# Altium PCB ALCT_MEZ_LX100.PcbDoc (part 6 of 10) (continued)
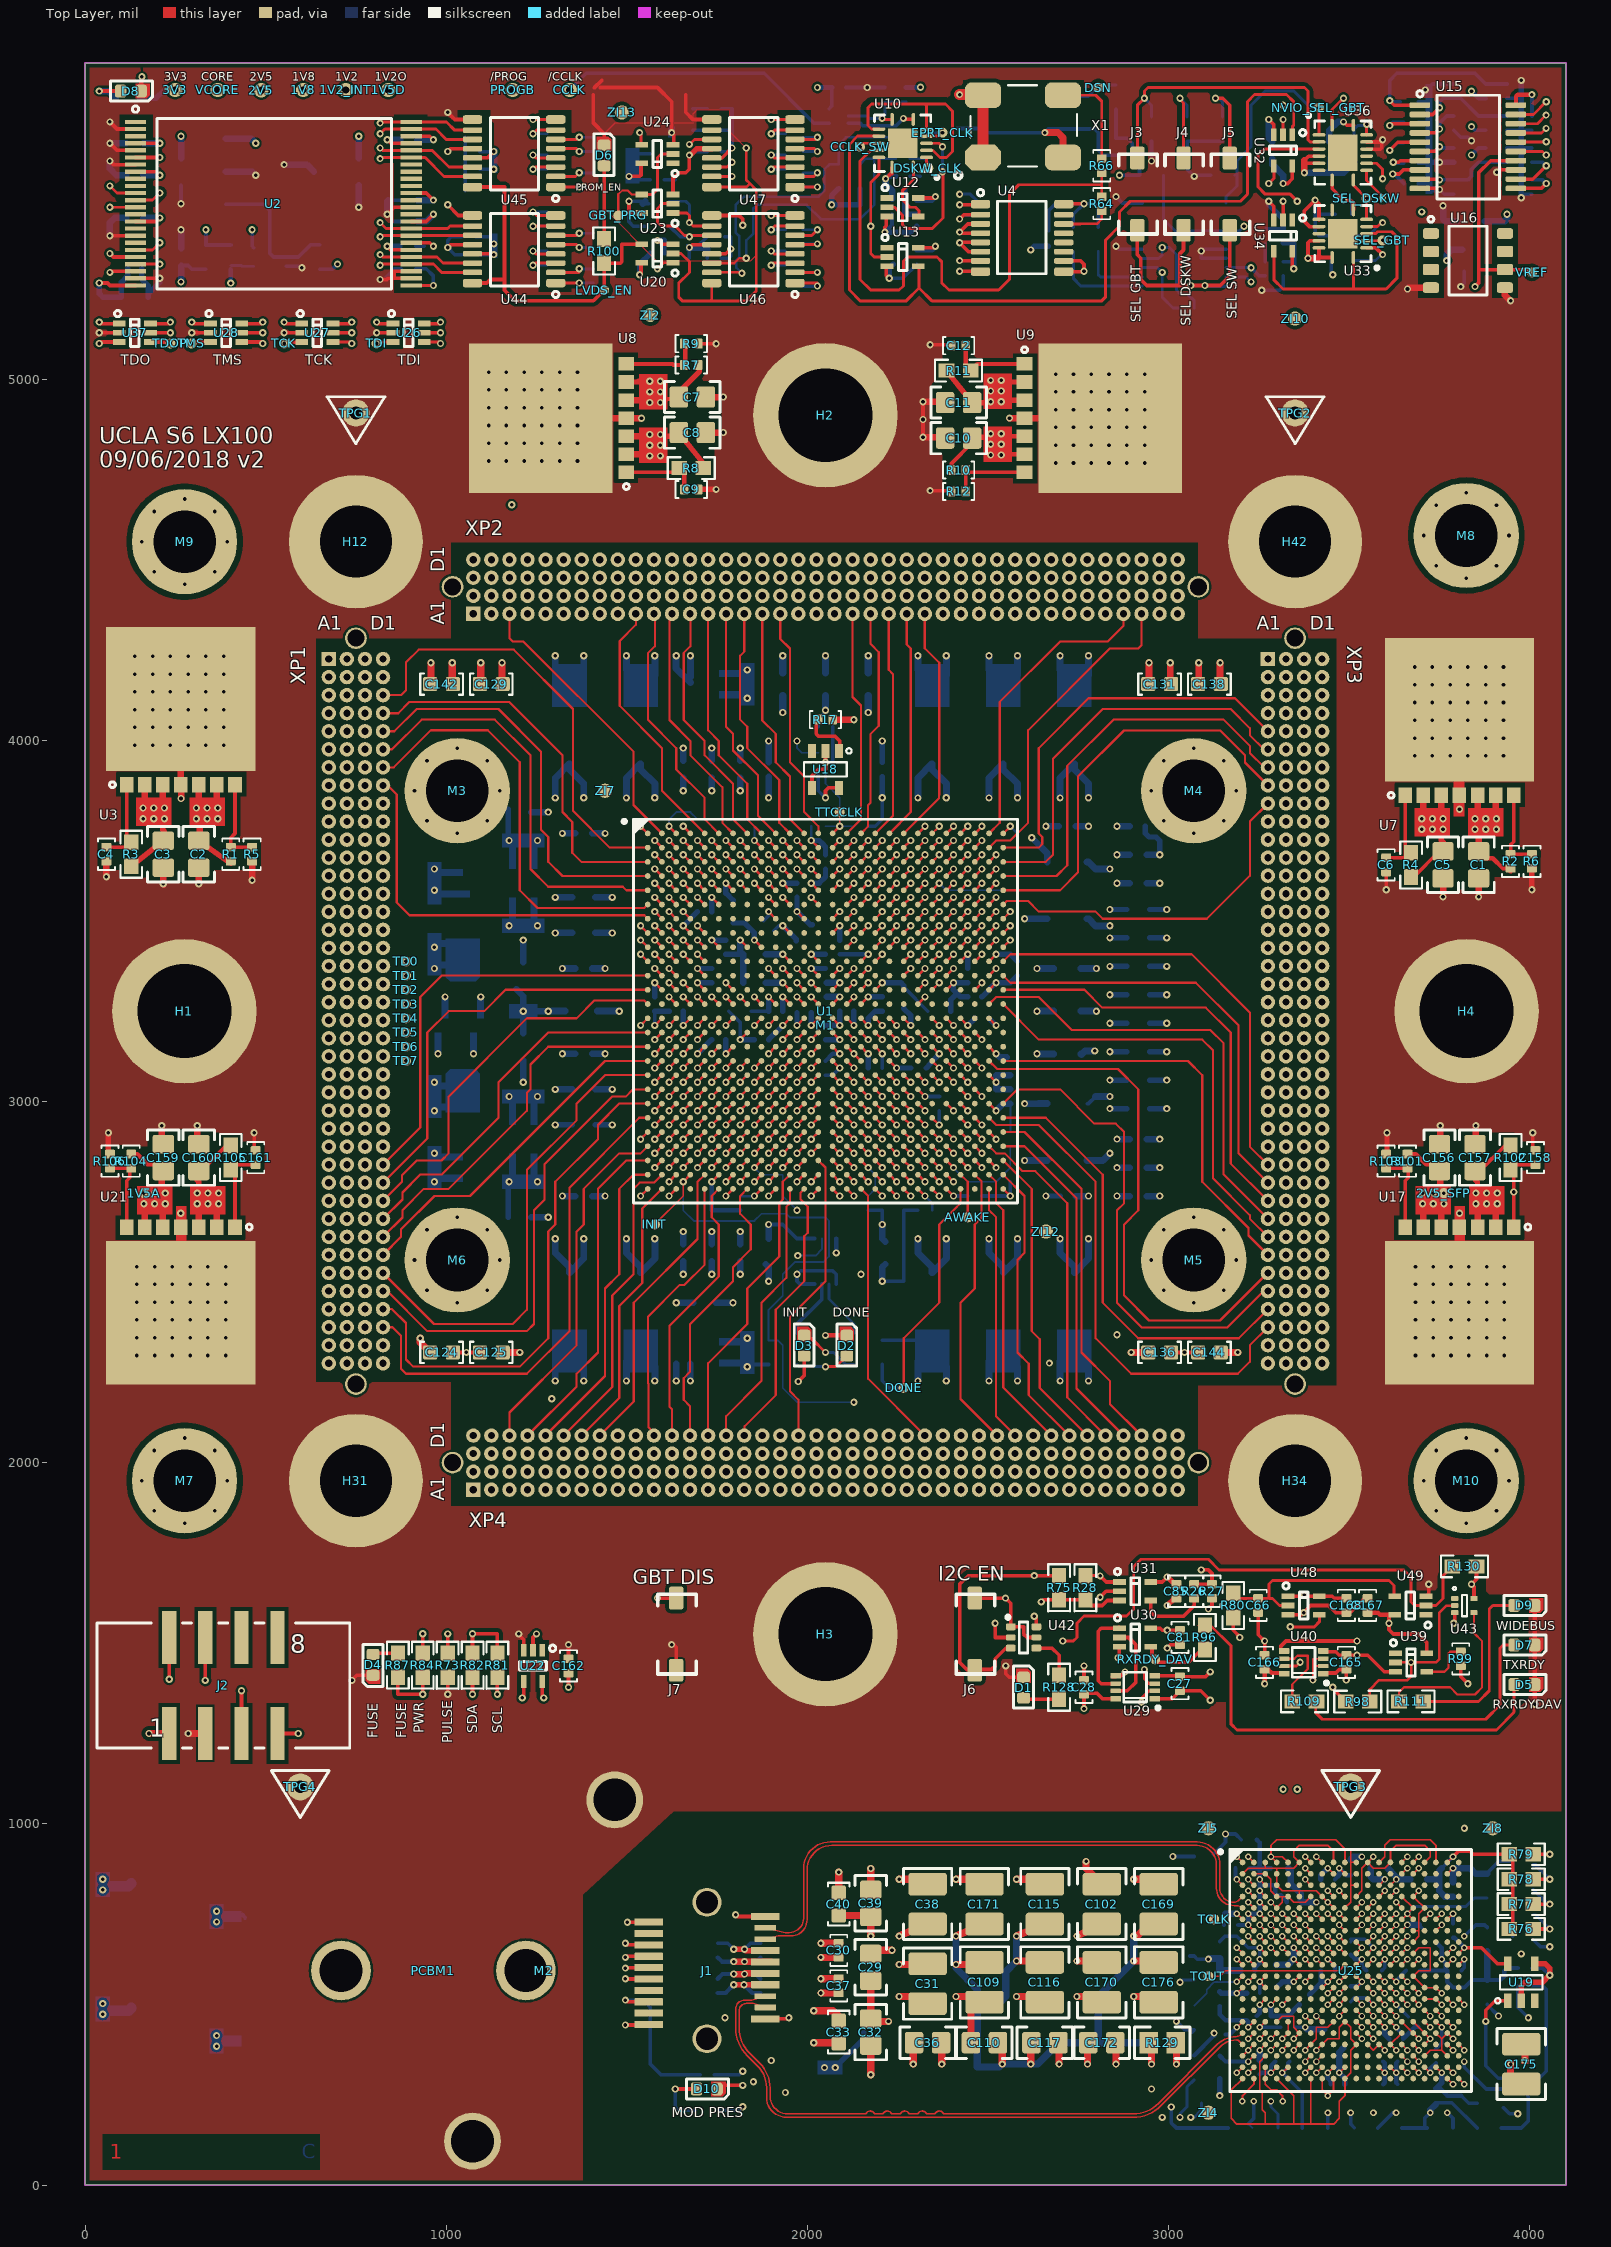
[diagram p0: Top Layer view]
## Nets (pads, with @x,y where several pads share a name; then routed paths per layer and width w, separated by ;. In a path a pad name is that pad's centre, name@x,y a point inside that pad or via, vN(x,y) a via of type N, cw(c..) or ccw(c..) an arc to the next point about the centre after c; other vN are vias at no path point) (continued)
  Top Layer w18: v1(59.06,3622.24) 59.06,3657.68 C4.2@62.2,3660.83 ; C159.2@212.21,2882.09 v1(212.21,2933.27) ; v1(216.54,3602.56) C3.2@216.54,3643.9 ; U3.8@265.16,4114.37 U3.4@265.16,3876.97 v1(265.75,3838.78) ; C160.2@310.63,2882.09 v1(310.63,2933.27) ; v1(314.96,3602.56) C2.2@314.96,3643.9 ; v1(462.6,3612.4) R5.2@462.6,3658.86 ; U8.8@1261.42,4891.93 U8.4@1498.82,4891.93 v1(1540.55,4891.34) ; C8.2@1728.74,4846.46 1734.25,4851.97 v1(1766.93,4851.97) ; C7.2@1728.74,4944.88 1734.25,4950.39 v1(1766.93,4950.39) ; v1(2320.08,4838.98) C10.2@2371.26,4838.98 ; v1(2320.08,4937.4) C11.2@2371.26,4937.4 ; v1(2559.45,4891.93) U9.4@2601.18,4891.93 U9.8@2838.58,4891.93 ; v1(3375.98,5571.06) 3375.98,5594.09 3375.98,5605.61 ; v1(3661.42,5249.41) 3665.16,5253.15 U16.4@3726.24,5253.15 ; C156.2@3752.36,2882.09 v1(3752.36,2933.27) ; v1(3759.84,3566.34) C5.2@3759.84,3617.52 ; C157.2@3850.79,2882.09 v1(3850.79,2933.27) ; v1(3858.27,3566.34) C1.2@3858.27,3617.52 ; U16.5@3931.24,5253.15 3931.24,5232.34 v1(3946.85,5216.73)
  Top Layer w19: C142.2@957.48,4165.35 v1(957.48,4214.57) ; C129.2@1154.33,4165.35 v1(1154.33,4214.57) ; v1(3004.72,4214.57) 3004.72,4157.48 C131.2@3006.69,4155.51 ; C138.2@3081.5,4155.51 3083.46,4157.48 v1(3083.46,4214.57)
  Top Layer w20: v3(285.43,1250.2) J2.3@333.07,1250.2 ; v1(2017.71,482.48) 2070.87,482.48 C33.2@2090.55,462.8 ; v1(2037.4,531.69) C37.2@2086.61,531.69 ; v1(2037.4,669.49) C30.2@2090.55,669.49 ; C40.2@2086.61,746.26 2171.26,746.26 C39.2@2175.2,742.32 v1(2175.2,689.17) ; C29.2@2175.2,565.16 C32.2@2175.2,460.83 ; v1(2224.41,452.95) C32.2@2183.07,452.95 ; v1(2253.94,610.43) C31.2@2328.74,610.43 ; v1(2253.94,846.65) 2318.9,846.65 C38.2@2332.68,832.87 ; v1(2293.31,334.84) C36.2@2293.31,409.65 ; v1(2411.42,521.85) 2440.95,521.85 2452.76,510.04 C110.2@2452.76,393.9 ; v1(2411.42,846.65) C171.2@2486.22,846.65 ; v1(2578.74,521.85) C116.2@2653.54,521.85 ; v1(2578.74,846.65) C115.2@2653.54,846.65 ; v1(2657.48,5682.48) 2693.7,5682.48 2707.68,5668.5 X1.2@2707.68,5620.28 ; v1(2696.85,334.84) C117.2@2696.85,409.65 ; v1(2746.06,620.28) C170.2@2820.87,620.28 ; v1(2746.06,689.17) C102.2@2814.96,722.64 ; v1(2775.59,334.84) C172.2@2775.59,409.65 ; v1(2903.54,521.85) C176.2@2978.35,521.85 ; v1(2903.54,846.65) C169.2@2978.35,846.65 ; C32.2@2175.2,460.83 2175.2,452.95 C32.2@2183.07,452.95 ; C32.2@2175.2,460.83 C32.2@2183.07,452.95
  Mid-Layer 8 w15: H12.1@750,4550 H12.1@794.61,4550
  Bottom Layer w6: R40.2@1774.41,3781.5 1833.46,3781.5 1853.15,3761.81 v1(1853.15,3722.44) ; v1(2010.63,3722.44) R92.2@2010.63,3761.81 ; v1(2561.81,3761.81) 2581.5,3742.13 R42.2@2581.5,3722.44
  Bottom Layer w10: v1(265.75,5485.63) C52.2@265.75,5536.81 ; U6.3@557.09,5312.4 596.46,5312.4 v1(600.39,5308.46) ; v1(816.93,5275.79) 826.77,5275.79 856.3,5305.32 R43.2@875.98,5305.32 ; 836.61,5492.32 839.76,5495.47 C50.2@875.98,5495.47 ; 849.8,5436.42 C54.2@875.98,5436.42 ; C49.2@915.35,5367.52 938.39,5367.52 ; C72.2@1043.11,5344.49 1023.82,5344.49 v3(1003.94,5364.37) 1003.94,5383.86 1013.78,5393.7 C74.2@1043.11,5393.7 ; 1052.95,5521.85 C75.2@1052.95,5580.71 C73.2@1052.95,5629.92 1052.95,5669.09 ; v1(1577.56,3210.63) C243.2@1577.56,3246.06 ; v1(1584.65,5384.06) 1604.33,5364.37 C84.2@1604.33,5347.83 ; C86.2@1604.33,5551.38 1633.86,5551.38 ; C77.2@1604.33,5623.43 1630.71,5623.43 ; 1673.23,5334.84 v3(1673.23,5364.36) 1693.1,5364.36 C68.2@1722.44,5393.7 ; v1(1673.23,5620.27) 1682.88,5629.92 C70.2@1722.24,5629.92 ; 1683.07,5688.98 C69.2@1722.44,5688.98 ; 1683.07,5748.03 C46.2@1722.44,5748.03 ; C71.2@1722.44,5334.84 1722.44,5364.37 ; C35.2@1751.97,669.49 1779.72,669.49 v1(1796.26,652.95) ; C363.2@1782.28,3250 1813.78,3218.5 v1(1813.78,3171.26) ; v1(1825.79,652.95) 1842.32,669.49 C34.2@1870.08,669.49 ; C253.2@1906.44,3472.3 1920.36,3486.22 v1(1931.89,3486.22) ; U14.3@2030.32,3912.4 2030.32,3860.24 v1(2050,3840.55) ; C78.2@2030.32,4037.4 2030.32,4057.09 2050,4076.77 v1(2050,4083.18) ; C76.2@2106.3,5807.28 v1(2165.35,5807.28) R95.2@2214.57,5807.28 ; U38.3@2113.19,5708.86 2145.67,5708.86 2153.18,5701.35 2245.25,5701.35 v1(2265.75,5721.85) ; v1(2207.48,2501.97) 2266.54,2501.97 2266.54,2698.82 R38.2@2305.91,2698.82 ; v1(2214.57,5406.89) 2234.25,5426.57 C63.2@2234.25,5456.1 ; v1(2226.38,5278.94) 2263.78,5278.94 C80.2@2303.15,5318.31 ; C65.2@2283.46,5561.22 2312.8,5561.22 ; R36.2@2483.07,2738.19 v1(2561.81,2738.19) R90.2@2561.81,2777.56 ; U11.1@2486.22,5692.32 2496.06,5682.48 v1(2657.48,5682.48) 2667.32,5692.32 U11.4@2730.32,5692.32 2736.22,5692.32 2795.28,5692.32 2805.12,5682.48 2805.12,5633.27 2818.9,5619.49 C67.2@2854.33,5619.49 ; C421.2@2774.41,2994.09 2778.35,2994.09 C421.2@2798.03,3013.78 ; v1(2854.33,5367.52) 2862.2,5359.65 U35.15@2927.17,5359.65 ; v1(2854.33,5505.32) 2872.05,5487.6 U35.20@2927.17,5487.6 ; v1(2952.76,5603.74) R48.1@2952.76,5658.86 ; R85.2@3059.06,634.06 R85.2@3070.87,634.06 3079.53,625.39 v1(3110.24,625.39) ; R44.1@3116.14,5564.37 3074.02,5564.37 v1(3070.87,5561.22) 3051.18,5580.91 3051.18,5603.74 R49.1@3051.18,5658.86 R50.1@3149.61,5658.86 ; R22.2@3124.02,915.55 3157.48,949.02 v1(3157.48,971.85) 3185.04,971.85 C133.2@3200.79,956.1 ; U35.7@3159.45,5334.06 3090.55,5334.06 v1(3090.55,5354.52) 3090.55,5359.65 U35.6@3159.45,5359.65 ; v1(3257.87,5246.26) 3307.09,5246.26 3316.93,5256.1 C61.2@3316.93,5285.63 ; R51.2@3267.72,5413.58 3270.87,5416.73 C82.2@3316.93,5416.73 ; C119.2@3330.71,877.36 C119.2@3332.68,877.36 ; C153.2@3350.39,436.42 v2(3377.95,436.42) v2@3383,431.37 ; 3444.88,5571.06 C62.2@3444.88,5613.58 ; R60.1@3450.79,5328.15 3450.79,5292.72 v1(3454.72,5288.78) ; v1(3484.25,5495.47) 3501.67,5495.47 3507.87,5489.27 C59.2@3507.87,5456.1 ; v5(3503.94,200.2) 3503.94,168.7 R23.2@3514.02,158.62 ; R53.1@3645.67,157.68 R21.2@3716.54,157.68 ; C163.2@3690.95,5541.54 3719.36,5541.54 ; C19.2@3690.95,5598.13 3716.9,5598.13 ; C17.2@3690.95,5654.72 3714.44,5654.72 3719.36,5659.65 ; C15.2@3690.95,5711.32 3716.9,5711.32 3719.36,5708.86 ; C13.2@3690.95,5767.91 3719.36,5767.91 ; R21.2@3708.66,158.62 3708.66,184.45 v5(3724.41,200.2) ; 3720.47,5807.28 3730.32,5817.13 C14.2@3789.37,5817.13 ; C98.2@3740.16,227.76 3784.25,227.76 R88.2@3854.33,157.68 ; v1(3750,5525) 3762.99,5512.01 C164.2@3789.37,5512.01 ; 3755.91,877.36 v2(3787.4,908.86) ; C16.2@3789.37,5689.17 3809.06,5669.49 3828.74,5669.49 v1(3838.58,5659.65) ; v1(3809.06,5256.1) 3818.9,5265.95 C25.2@3818.9,5298.62 ; R108.2@3937.01,5639.96 3976.38,5639.96 C21.2@4005.91,5639.96 ; R16.2@3937.01,5689.17 3976.38,5689.17 C22.2@4005.91,5689.17 ; R15.2@3937.01,5777.76 3976.38,5777.76 ; v1@3976.38,5512.01 C20.2@4005.91,5512.01
  Bottom Layer w12: v1(1735.04,2777.56) 1735.04,2698.82 R39.2@1813.78,2698.82 ; C41.2@1751.97,531.69 1773.43,531.69 v1(1796.26,554.53) ; v1(1824.41,554.53) 1847.24,531.69 C42.2@1870.08,531.69 ; C267.2@2050,3112.2 2069.69,3131.89 v1(2089.37,3131.89) ; v1(2079.53,2580.71) U41.4@2079.53,2620.47 ; C232.2@2089.37,3407.48 v1(2168.11,3407.48) ; v1(2325.59,3013.78) C265.2@2364.96,3013.78 ; R72.1@3070.87,358.46 3125.98,413.58 v1(3125.98,420.67) ; C112.2@3153.54,719.88 3153.54,747.44 3157.48,751.38 ; C149.2@3157.48,416.73 3169.29,416.73 v2(3188.98,436.42) ; C148.2@3185.04,877.36 3185.04,849.8 v2(3188.98,845.87) ; C114.2@3244.09,467.91 3251.97,475.79 v2(3251.97,499.41) ; C147.2@3251.97,306.5 3255.91,310.43 v2(3283.46,310.43) 3283.46,330.12 C99.2@3295.28,341.93 ; C113.2@3421.26,593.9 3421.26,562.4 3425.2,562.4 v2(3440.95,562.4) ; v2(3440.95,310.43) 3440.95,294.69 3448.82,286.81 C108.2@3448.82,278.94 ; C90.2@3503.94,550.59 3523.62,550.59 v2(3535.43,562.4) ; C96.2@3503.94,637.2 3515.75,625.39 v2(3535.43,625.39) 3535.43,605.71 C91.2@3547.24,593.9 ; C101.2@3594.49,278.94 3598.43,282.87 v2(3598.43,310.43) 3598.43,337.99 C93.2@3594.49,341.93 ; v2(3629.92,436.42) 3649.61,416.73 C88.2@3649.61,404.92 3682.93,438.25 C97.2@3691.08,438.25 ; C107.2@3696.85,593.9 C89.2@3767.72,593.9 ; v2(3724.41,310.43) 3724.41,322.24 C100.2@3740.16,337.99 ; C104.2@3746.68,666.11 3755.91,656.89 v2(3755.91,625.39) 3767.72,613.58 C89.2@3767.72,593.9 ; C87.2@3787.4,684.45 3791.34,684.45 v2(3818.9,656.89) ; C26.2@3966.54,600.59 3937.01,600.59 3929.13,592.72 3929.13,578.15 3918.62,567.64 R74.2@3881.89,567.64 3839.88,567.64 3818.9,546.65 3787.4,546.65 3771.65,562.4 3771.65,593.9 C89.2@3767.72,593.9
  Bottom Layer w15: C57.2@157.48,5305.32 157.48,5275.79 175.2,5258.07 C58.2@175.2,5236.42 ; C58.2@175.2,5226.57 C58.2@175.2,5236.42 ; v1(206.69,5278.94) 206.69,5267.91 C58.2@175.2,5236.42 ; C139.2@1172.05,2679.13 1172.05,2775.59 v1(1174.02,2777.56) ; C121.2@1172.05,3809.06 C121.2@1172.05,3801.18 1172.05,3724.41 v1(1174.02,3722.44) ; v1(1301.97,2935.04) C341.2@1349.21,2935.04 ; C243.2@1577.56,3250 C234.2@1616.93,3250 ; v1(1584.65,5384.06) 1604.33,5384.06 ; v1(1656.3,3486.22) C263.2@1695.67,3525.59 ; v1(1695.67,3131.89) C241.2@1735.04,3171.26 ; v1(1695.67,3328.74) C262.2@1735.04,3328.74 ; C223.2@1774.41,3407.48 C371.2@1821.65,3407.48 ; v1(1774.41,3604.33) 1774.41,3576.77 C361.2@1794.09,3557.09 ; v1(1813.78,3171.26) C275.2@1853.15,3171.26 ; C264.2@1931.89,3250 v1(1931.89,3289.37) ; v1(1931.89,3486.22) 1968.67,3449.44 C365.2@1968.67,3444.26 ; v1(1931.89,3604.33) C266.2@1971.26,3604.33 ; v1(1971.26,3210.63) C272.2@1971.26,3246.06 ; v1(2010.63,3368.11) C261.2@2050,3368.11 ; v1(2010.63,3722.44) 2032.28,3722.44 2041.14,3713.58 2050,3704.72 C213.2@2050,3683.07 ; C273.2@2050,3210.63 v1(2089.37,3210.63) C274.2@2089.37,3250 ; C277.2@2168.11,3092.52 v1(2168.11,3131.89) ; v1(2168.11,3210.63) 2168.11,3230.32 2187.8,3250 C276.2@2207.48,3250 ; C301.2@2207.48,3938.98 C301.2@2207.48,3950.79 v1(2207.48,3998.03) ; v1(2214.57,5406.89) 2286.61,5406.89 2303.15,5423.43 ; v1(2226.38,5278.94) 2226.38,5307.28 2237.4,5318.31 ; C362.2@2266.54,3257.87 2286.22,3238.19 v1(2286.22,3210.63) ; 2270,5529 2270,5462 2276,5456 2303.05,5456 C79.2@2303.15,5456.1 ; C214.2@2329.53,3092.52 v1(2364.96,3131.89) ; C364.2@2396.46,3250 2396.46,3281.5 2414.17,3299.21 ; C252.2@2443.7,3289.37 2424.02,3289.37 2404.33,3309.05 v1(2404.33,3328.74) C242.2@2443.7,3328.74 ; C203.2@2502.76,3230.32 v1(2522.44,3210.63) ; v1(2522.44,3407.48) 2561.81,3407.48 C202.2@2581.5,3387.8 ; v1(2618.11,5357.68) 2627.95,5367.52 C64.2@2667.32,5367.52 ; C254.2@2935.83,3761.81 2935.83,3742.13 2945.67,3732.28 2965.35,3732.28 2975.2,3722.44 v1(2975.2,3683.07) ; C351.2@2947.64,2980.32 v1(2994.88,2980.32) ; C321.2@2947.64,3059.06 v1(2994.88,3059.06) ; C132.2@2947.64,3137.8 v1(2994.88,3137.8) ; C128.2@2947.64,3216.54 v1(2994.88,3216.54) ; C137.2@2947.64,3295.28 v1(2994.88,3295.28) ; C134.2@2947.64,3374.02 v1(2994.88,3374.02) ; C135.2@2947.64,3452.76 v1(2994.88,3452.76) ; C141.2@2947.64,3531.5 v1(2994.88,3531.5) ; v1(3141.73,247.44) C118.2@3141.73,294.69 ; C145.2@3141.73,534.84 3145.67,530.91 v2(3188.98,530.91) C151.2@3216.54,530.91 ; v1(3277.56,5492.32) 3277.56,5482.48 3316.93,5443.11 C82.2@3316.93,5416.73 ; C111.2@3299.21,546.65 3314.96,562.4 v2(3346.46,562.4) ; C146.2@3390.04,527.25 3425.2,562.4 ; C106.2@3421.26,845.87 3421.26,857.68 v2(3440.95,877.36) ; 3716.9,5598.13 3719.36,5600.59 v1(3750,5600.59) C18.2@3789.37,5600.59 ; v1(3976.38,5502.17) 3976.38,5512.01 3976.38,5639.96 3976.38,5689.17 3976.38,5777.76 v1(3976.38,5826.97)
  Bottom Layer w18: v1(68.9,5397.05) 68.9,5433.27 81.89,5446.26 114.17,5446.26 C55.2@112.21,5444.29 ; v1(68.9,5603.74) 68.9,5582.09 86.61,5564.37 C48.2@114.17,5564.37 ; v1(68.9,5652.95) C53.2@114.17,5652.95 ; C43.2@265.75,5361.61 v1(265.75,5413.58) ; U5.4@389.76,5574.21 462.6,5574.21 v1(472.44,5564.37) ; v1(551.18,5593.9) 614.17,5593.9 U5.1@633.86,5574.21 ; v1(757.87,5475.79) C56.2@757.87,5536.81 ; v1(836.61,5456.1) 836.61,5492.32 839.76,5495.47 ; C51.2@919.29,5662.8 v1(964.57,5662.8) ; C312.2@1193.7,3311.02 1213.39,3291.34 v1(1213.39,3250) ; C313.2@1213.39,3188.98 v1(1213.39,3250) ; v1@1292.13,3250 v1(1282.28,3250) v1(1213.39,3250) ; v1(1301.97,3033.46) C122.2@1349.21,3033.46 ; v1(1301.97,3466.54) C126.2@1349.21,3466.54 ; v1(1301.97,3564.96) C331.2@1349.21,3564.96 ; v1(1321.65,2738.19) C221.2@1357.09,2738.19 ; v1(1321.65,3131.89) C235.2@1357.09,3131.89 ; v1(1321.65,3368.11) C225.2@1357.09,3368.11 ; v1(1321.65,3742.13) C245.2@1357.09,3742.13 ; v1(1636.61,2226.38) C431.2@1636.61,2273.62 ; v1(1636.61,2442.91) C127.2@1683.86,2442.91 ; v1(1656.3,2521.65) C44.2@1656.3,2557.09 ; C215.2@1656.3,3942.91 v1(1656.3,3978.35) ; v1(1675.98,2226.38) C431.2@1675.98,2273.62 ; v1(1735.04,2521.65) C45.2@1735.04,2557.09 ; v1(1735.04,3860.24) C201.2@1735.04,3895.67 ; v1(1813.78,2521.65) C222.2@1813.78,2557.09 ; C371.2@1813.78,3419.29 v1(1813.78,3446.85) ; C24.2@1813.78,3942.91 v1(1813.78,3978.35) ; C372.2@1821.65,3328.74 C371.2@1821.65,3407.48 ; C311.2@1884.65,2549.21 1892.52,2541.34 v1(1892.52,2501.97) ; C211.2@1892.52,3938.98 v1(1892.52,3998.03) ; C271.2@2053.94,3328.74 v1(2089.37,3328.74) ; v1(2207.48,2501.97) 2207.48,2541.34 C302.2@2215.35,2549.21 ; C204.2@2561.81,3033.46 2522.44,3033.46 v1(2522.44,3053.15) 2522.44,3072.83 C231.2@2561.81,3072.83 ; C251.2@2742.91,2738.19 v1(2778.35,2738.19) ; C212.2@2742.91,3761.81 v1(2778.35,3761.81) ; C224.2@2939.76,2738.19 v1(2975.2,2738.19) ; C244.2@2939.76,2816.93 v1(2975.2,2816.93) ; C233.2@2939.76,2895.67 v1(2975.2,2895.67) ; C205.2@2939.76,3604.33 v1(2975.2,3604.33) ; C255.2@2939.76,3683.07 v1(2975.2,3683.07) ; 3157.48,751.38 v2(3188.98,751.38) ; v1(3277.56,5718.7) 3277.56,5666.73 C83.2@3287.4,5656.89 ; C119.2@3330.71,877.36 3338.58,869.49 3338.58,830.12 3342.52,830.12 3366.14,806.5 3366.14,786.81 3370.08,782.87 v2(3409.45,782.87) ; v1(3375.98,5571.06) 3444.88,5571.06 3485.04,5571.06 R58.1@3513.78,5599.8 ; v2(3377.95,436.42) 3383,431.37 C103.2@3430.25,431.37 ; C95.2@3503.94,900.98 3511.81,908.86 v2(3535.43,908.86) ; C105.2@3559.06,877.36 3559.06,853.74 3566.93,845.87 v2(3598.43,845.87) ; C92.2@3716.54,845.87 3749.02,845.87 ; 3723.62,5525 v1(3750,5525) ; v5(3724.41,200.2) 3724.41,208.07 C98.2@3740.16,223.82 ; 3755.91,877.36 3749.02,870.47 3749.02,845.87 ; v1(3759.84,5479.72) 3759.84,5443.11 3766.54,5436.42 C23.2@3801.18,5436.42 ; C94.2@3787.4,798.62 3764.76,798.62 3749.02,814.37 3749.02,845.87 ; R74.2@3881.89,567.64 R86.2@3881.89,647.72
  Bottom Layer w19: v1@1292.13,3250 C332.2@1329.53,3250 ; v1(1301.97,2620.08) 1301.97,2580.71 1341.34,2541.34 CT7.2@1341.34,2525.59 1380.71,2564.96 v1(1380.71,2620.08) ; v1(1301.97,3840.55) 1301.97,3895.67 CT2.2@1341.34,3935.04 1341.34,3919.29 1380.71,3879.92 v1(1380.71,3840.55) ; v1(1498.82,2620.08) 1498.82,2580.71 1538.19,2541.34 CT11.2@1538.19,2525.59 1577.56,2564.96 v1(1577.56,2620.08) ; v1(1498.82,3840.55) 1498.82,3895.67 CT10.2@1538.19,3935.04 1538.19,3919.29 1577.56,3879.92 v1(1577.56,3840.55) ; v1(2305.91,2620.08) 2305.91,2580.71 2345.28,2541.34 CT6.2@2345.28,2525.59 2384.65,2564.96 v1(2384.65,2620.08) ; v1(2305.91,3840.55) 2305.91,3895.67 CT12.2@2345.28,3935.04 2345.28,3919.29 2384.65,3879.92 v1(2384.65,3840.55) ; v1(2502.76,2620.08) 2502.76,2580.71 2542.13,2541.34 CT4.2@2542.13,2525.59 2581.5,2564.96 v1(2581.5,2620.08) ; v1(2502.76,3840.55) 2502.76,3895.67 CT9.2@2542.13,3935.04 2542.13,3919.29 2581.5,3879.92 v1(2581.5,3840.55) ; v1(2699.61,2620.08) 2699.61,2580.71 2738.98,2541.34 CT1.2@2738.98,2525.59 2778.35,2564.96 v1(2778.35,2620.08) ; v1(2699.61,3840.55) 2699.61,3895.67 CT8.2@2738.98,3935.04 2738.98,3919.29 2778.35,3879.92 v1(2778.35,3840.55) ; C342.2@2756.69,3131.89 2758.51,3130.08 2768.35,3139.92 v1(2795.27,3139.92) ; C322.2@2756.69,3250 v1(2800,3250) ; C375.2@2756.69,3368.11 v1(2800,3368.11) ; C451.2@2774.41,2836.61 2817.72,2836.61 v1(2837.4,2856.3) ; C401.2@2774.41,3505.91 2778.35,3505.91 2798.03,3486.22 v1(2837.4,3486.22) ; C471.2@2774.41,3663.39 2778.35,3663.39 2798.03,3643.7 v1(2837.4,3643.7) ; C421.2@2798.03,3013.78 v1(2837.4,3013.78)
  Bottom Layer w20: v1(1931.89,4076.77) C143.2@1931.89,4124.02 ; v1(2050,4083.18) C130.2@2050,4124.02 ; v1(2168.11,4076.77) C140.2@2168.11,4124.02 ; v1(3110.24,625.39) 3111.81,626.97 3141.73,626.97 3141.73,593.9 C150.2@3196.85,593.9
  other v1: 2982.28,187.2 1938.98,256.1 2952.76,265.94 1850.39,285.63 1899.61,344.69 3986.22,344.69 1771.65,462.8 738.98,1397.05 143.31,2296.65 192.52,2296.65 241.73,2296.65 290.95,2296.65 340.16,2296.65 389.37,2296.65 3683.46,2296.65 3732.68,2296.65 3781.89,2296.65 3831.1,2296.65 3880.32,2296.65 3929.53,2296.65 143.31,2345.87 192.52,2345.87 241.73,2345.87 290.95,2345.87 340.16,2345.87 389.37,2345.87 3683.46,2345.87 3732.68,2345.87 3781.89,2345.87 3831.1,2345.87 3880.32,2345.87 3929.53,2345.87 143.31,2395.08 192.52,2395.08 241.73,2395.08 290.95,2395.08 340.16,2395.08 389.37,2395.08 3683.46,2395.08 3732.68,2395.08 3781.89,2395.08 3831.1,2395.08 3880.32,2395.08 3929.53,2395.08 143.31,2444.29 192.52,2444.29 241.73,2444.29 290.95,2444.29 340.16,2444.29 389.37,2444.29 3683.46,2444.29 3732.68,2444.29 3781.89,2444.29 3831.1,2444.29 3880.32,2444.29 3929.53,2444.29 143.31,2493.5 192.52,2493.5 241.73,2493.5 290.95,2493.5 340.16,2493.5 389.37,2493.5 3683.46,2493.5 3732.68,2493.5 3781.89,2493.5 3831.1,2493.5 3880.32,2493.5 3929.53,2493.5 143.31,2542.72 192.52,2542.72 241.73,2542.72 290.95,2542.72 340.16,2542.72 389.37,2542.72 3683.46,2542.72 3732.68,2542.72 3781.89,2542.72 3831.1,2542.72 3880.32,2542.72 3929.53,2542.72 265.16,2690.35 3805.32,2690.35 967.32,2777.56 1252.76,2777.56 967.32,2856.3 996.85,3289.37 1095.28,3289.37 967.32,3584.65 967.32,3643.7 1252.76,3722.44 3805.32,3809.25 3681.1,3956.89 3730.32,3956.89 3779.53,3956.89 3828.74,3956.89 3877.95,3956.89 3927.17,3956.89 137.8,3986.42 187.01,3986.42 236.22,3986.42 285.43,3986.42 334.65,3986.42 383.86,3986.42 3681.1,4006.1 3730.32,4006.1 3779.53,4006.1 3828.74,4006.1 3877.95,4006.1 3927.17,4006.1 137.8,4035.63 187.01,4035.63 236.22,4035.63 285.43,4035.63 334.65,4035.63 383.86,4035.63 3681.1,4055.32 3730.32,4055.32 3779.53,4055.32 3828.74,4055.32 3877.95,4055.32 3927.17,4055.32 137.8,4084.84 187.01,4084.84 236.22,4084.84 285.43,4084.84 334.65,4084.84 383.86,4084.84 3681.1,4104.53 3730.32,4104.53 3779.53,4104.53 3828.74,4104.53 3877.95,4104.53 3927.17,4104.53 1833.46,4116.14 137.8,4134.06 187.01,4134.06 236.22,4134.06 285.43,4134.06 334.65,4134.06 383.86,4134.06 3681.1,4153.74 3730.32,4153.74 3779.53,4153.74 3828.74,4153.74 3877.95,4153.74 3927.17,4153.74 137.8,4183.27 187.01,4183.27 236.22,4183.27 285.43,4183.27 334.65,4183.27 383.86,4183.27 1833.46,4194.88 3681.1,4202.95 3730.32,4202.95 3779.53,4202.95 3828.74,4202.95 3877.95,4202.95 3927.17,4202.95 137.8,4232.48 187.01,4232.48 236.22,4232.48 285.43,4232.48 334.65,4232.48 383.86,4232.48 2687.4,4767.72 2736.61,4767.72 2785.83,4767.72 2835.04,4767.72 2884.25,4767.72 2933.46,4767.72 1117.32,4773.23 1166.54,4773.23 1215.75,4773.23 1264.96,4773.23 1314.17,4773.23 1363.39,4773.23 2687.4,4816.93 2736.61,4816.93 2785.83,4816.93 2835.04,4816.93 2884.25,4816.93 2933.46,4816.93 1117.32,4822.44 1166.54,4822.44 1215.75,4822.44 1264.96,4822.44 1314.17,4822.44 1363.39,4822.44 2687.4,4866.14 2736.61,4866.14 2785.83,4866.14 2835.04,4866.14 2884.25,4866.14 2933.46,4866.14 1117.32,4871.65 1166.54,4871.65 1215.75,4871.65 1264.96,4871.65 1314.17,4871.65 1363.39,4871.65 2687.4,4915.35 2736.61,4915.35 2785.83,4915.35 2835.04,4915.35 2884.25,4915.35 2933.46,4915.35 1117.32,4920.87 1166.54,4920.87 1215.75,4920.87 1264.96,4920.87 1314.17,4920.87 1363.39,4920.87 2687.4,4964.57 2736.61,4964.57 2785.83,4964.57 2835.04,4964.57 2884.25,4964.57 2933.46,4964.57 1117.32,4970.08 1166.54,4970.08 1215.75,4970.08 1264.96,4970.08 1314.17,4970.08 1363.39,4970.08 2687.4,5013.78 2736.61,5013.78 2785.83,5013.78 2835.04,5013.78 2884.25,5013.78 2933.46,5013.78 1117.32,5019.29 1166.54,5019.29 1215.75,5019.29 1264.96,5019.29 1314.17,5019.29 1363.39,5019.29 3710.63,5800.59
HSWAPEN: R40.1 U1.A3 | length 181.9
  Top Layer w7: v1(1616.93,3761.81) U1.A3@1636.61,3742.13
  Bottom Layer w5: v1(1616.93,3761.81) 1616.93,3781.49 1636.61,3801.18 1675.98,3801.18 1695.67,3781.5 R40.1@1735.04,3781.5
INIT2: R41.1 U41.6 | length 164.8
  Bottom Layer w8: U41.6@2059.84,2494.49 2059.84,2452.76 2128.74,2383.86 R41.1@2128.74,2358.27
INIT_B: INIT.1 R33.2 U1.AE4 U32.2 U41.3 | length 7453.6
  Top Layer w5: INIT.1@1577.56,2659.45 1656.3,2738.19 v1(1656.3,2777.56)
  Top Layer w7: v1(1656.3,2777.56) U1.AE4@1675.98,2797.24
  Top Layer w8: U32.2@3316.93,5676.57 v1(3316.93,5718.7)
  Mid-Layer 2 w5: v1(2128.74,2167.32) 2130.32,2167.32 2150,2147.64 2150,1895.47 2214.57,1830.91 3110.43,1830.91 3159.45,1879.92 3159.45,2115.35 3211.42,2167.32 3417.13,2167.32 3475,2225.2 3475,4291.54 3435.63,4330.91 3193.5,4330.91 3139.76,4384.65 3139.76,5019.88 3277.56,5157.68 3277.56,5295.47 3252.27,5320.76 3252.27,5507.77 3228.35,5531.69 3228.35,5718.7 3257.87,5748.23 3287.4,5748.23 v1(3316.93,5718.7)
  Bottom Layer w5: v1(1656.3,2777.56) 1656.3,2698.19 1685.2,2669.29 1853.15,2669.29 1872.83,2688.98 1941.73,2688.98 1952.2,2678.51 2050.63,2678.51 2059.84,2669.29 U41.3@2059.84,2611.61 2059.84,2570.87 2044.23,2555.25 1965.49,2555.25 1931.89,2521.65 1931.89,2462.6 1892.52,2423.23 R33.2@1892.52,2338.58 1918.11,2338.58 1931.89,2324.8 1931.89,2206.69 1971.26,2167.32 v1(2128.74,2167.32)
INIT_LED: D3.K R41.2 | length 148.3
  Top Layer w8: 2010.63,2344.49 v1(2050,2305.12)
  Bottom Layer w8: v1(2050,2305.12) 2072.64,2305.12 2106.1,2271.65 R41.2@2128.74,2271.65
led1: U1.A18 XP2.A25 | length 637.2
  Top Layer w6: U1.A18@2227.17,3742.13 2286.22,3801.18 2286.22,3831.95 2285.91,3832.27 2285.91,3848.84 2286.22,3849.15 2286.22,4253.94 2275,4265.16 XP2.A25@2275,4350
led2: U1.A19 XP2.A26 | length 665.2
  Top Layer w6: U1.A19@2266.54,3742.13 2364.65,3840.24 2364.65,3848.84 2364.96,3849.15 2364.96,4214.57 2325,4254.53 XP2.A26@2325,4350
led3: U1.D20 XP2.A27 | length 1008.4
  Top Layer w7: U1.D20@2305.91,3624.02 v1(2325.59,3643.7)
  Mid-Layer 10 w5: v1(2325.59,3643.7) 2345.28,3663.39 2345.28,3702.76 2542.13,3702.76 2542.13,4116.14 2375,4283.27 XP2.A27@2375,4350
led4: U1.G17 XP2.A28 | length 942.3
  Top Layer w7: U1.G17@2187.8,3505.91 v1(2207.48,3525.59)
  Mid-Layer 8 w5: v1(2207.48,3525.59) 2227.17,3545.28 2227.17,3899.61 2425,4097.44 XP2.A28@2425,4350
led5: U1.C18 XP2.B25 | length 793
  Top Layer w7: U1.C18@2227.17,3663.39 v1(2246.85,3683.07)
  Mid-Layer 4 w5: v1(2246.85,3683.07) 2227.17,3702.76 2227.17,4017.72 2286.22,4076.77 2286.22,4244.09 2299.5,4257.37 2299.5,4375.5 XP2.B25@2275,4400
led6: U1.D18 XP2.B26 | length 837.2
  Top Layer w7: U1.D18@2227.17,3624.02 v1(2246.85,3643.7)
  Mid-Layer 4 w5: v1(2246.85,3643.7) 2266.54,3663.39 2266.54,3998.03 2350,4081.5 2350,4375 XP2.B26@2325,4400
led7: U1.D19 XP2.B27 | length 869.9
  Top Layer w7: U1.D19@2266.54,3624.02 v1(2286.22,3643.7)
  Mid-Layer 4 w5: v1(2286.22,3643.7) 2305.91,3663.39 2305.91,3813.68 2298.54,3821.05 2297.83,3821.05 2286.41,3832.47 2286.41,3859.74 2305.91,3879.24 2305.91,3984.12 2414.17,4092.38 2414.17,4263.78 2400.5,4277.45 2400.5,4374.5 XP2.B27@2375,4400
led8: U1.F16 XP2.B28 | length 989.6
  Top Layer w7: U1.F16@2148.43,3545.28 v1(2168.11,3564.96)
  Mid-Layer 6 w5: v1(2168.11,3564.96) 2187.8,3584.65 2187.8,3938.98 2449.5,4200.68 2449.5,4375.5 XP2.B28@2425,4400
led9: U1.E17 XP2.B29 | length 955
  Top Layer w7: U1.E17@2187.8,3584.65 v1(2207.48,3604.33)
  Mid-Layer 6 w5: v1(2207.48,3604.33) 2227.17,3624.02 2227.17,3919.29 2473.23,4165.35 2473.23,4266.54 2500,4293.31 2500,4375 XP2.B29@2475,4400
led10: U1.E18 XP2.B30 | length 959.4
  Top Layer w7: U1.E18@2227.17,3584.65 v1(2246.85,3604.33)
  Mid-Layer 6 w5: v1(2246.85,3604.33) 2266.54,3624.02 2266.54,3860.24 2550,4143.7 2550,4375 XP2.B30@2525,4400
led11: U1.E14 XP2.C25 | length 1129.1
  Top Layer w7: U1.E14@2069.68,3584.65 v1(2089.37,3604.33)
  Mid-Layer 6 w5: v1(2089.37,3604.33) 2030.32,3663.39 2030.32,3781.5 1992.63,3819.18 1992.63,4235.94 2030.32,4273.62 2198.62,4273.62 2250,4325 2250,4425 XP2.C25@2275,4450
led12: U1.F15 XP2.C26 | length 1111.9
  Top Layer w7: U1.F15@2109.05,3545.28 v1(2128.74,3564.96)
  Mid-Layer 6 w5: v1(2128.74,3564.96) 2109.06,3584.65 2109.06,4096.46 2168.11,4155.51 2305.91,4155.51 2350,4199.61 2350,4425 XP2.C26@2325,4450
led13: U1.F17 XP2.C27 | length 998.6
  Top Layer w7: U1.F17@2187.8,3545.28 v1(2207.48,3564.96)
  Mid-Layer 8 w5: v1(2207.48,3564.96) 2187.8,3584.65 2187.8,3919.29 2350,4081.5 2350,4425 XP2.C27@2375,4450
led14: U1.E16 XP2.C28 | length 1033
  Top Layer w7: U1.E16@2148.43,3584.65 v1(2168.11,3604.33)
  Mid-Layer 6 w5: v1(2168.11,3604.33) 2148.43,3624.02 2148.43,3998.03 2276.38,4125.98 2335.43,4125.98 2402.65,4193.2 2402.65,4290.66 2400,4293.31 2400,4425 XP2.C28@2425,4450
led15: U1.C20 XP2.C29 | length 893.5
  Top Layer w7: U1.C20@2305.91,3663.39 v1(2325.59,3683.07)
  Mid-Layer 8 w5: v1(2325.59,3683.07) 2306.09,3702.57 2306.09,3813.16 2325.41,3832.47 2325.41,3879.74 2484.76,4039.09 2484.76,4241.71 2500,4256.95 2500,4425 XP2.C29@2475,4450
led16: U1.B18 XP2.D25 | length 837.4
  Top Layer w7: U1.B18@2227.17,3702.76 v1(2246.85,3722.44)
  Mid-Layer 2 w5: v1(2246.85,3722.44) 2246.85,3958.66 2286.22,3998.03 2286.22,4260.34 2299.5,4273.62 2299.5,4475.5 XP2.D25@2275,4500
led17: U1.C19 XP2.D26 | length 897.3
  Top Layer w7: U1.C19@2266.54,3663.39 v1(2286.22,3683.07)
  Mid-Layer 2 w5: v1(2286.22,3683.07) 2266.72,3702.57 2266.72,3939.16 2349.5,4021.94 2349.5,4475.5 XP2.D26@2325,4500
led18: U1.H17 XP2.D27 | length 1221.1
  Top Layer w7: U1.H17@2187.8,3466.54 v1(2207.48,3486.22)
  Mid-Layer 2 w5: v1(2207.48,3486.22) 2187.98,3505.72 2187.98,3623.83 2187.8,3624.02 2305.91,3624.02 2305.91,3799.5 2325.41,3819 2325.41,3848.63 2323.41,3850.63 2323.41,3922.88 2399.5,3998.97 2399.5,4201.58 2402.65,4204.72 2402.65,4260.63 2399.5,4263.78 2399.5,4475.5 XP2.D27@2375,4500
led19: U1.H18 XP2.D28 | length 1418.1
  Top Layer w7: U1.H18@2227.17,3466.54 v1(2246.85,3486.22)
  Mid-Layer 2 w5: v1(2246.85,3486.22) 2227.17,3505.91 2227.17,3582.96 2228.85,3584.65 2374.62,3584.65 2384.46,3594.49 2384.46,3780 2382.96,3781.5 2404.33,3802.87 2404.33,3885.69 2449.5,3930.86 2449.5,4240.05 2500,4290.55 2500,4537.6 2480.32,4557.28 2440.95,4557.28 2425,4541.34 XP2.D28@2425,4500
led20: U1.F18 XP2.D29 | length 1057.4
  Top Layer w7: U1.F18@2227.17,3545.28 v1(2246.85,3564.96)
  Mid-Layer 8 w5: v1(2246.85,3564.96) 2266.54,3584.65 2266.54,3879.92 2450,4063.39 2450,4475 XP2.D29@2475,4500
lvds_en: LVDS_EN.1 R100.2 U20.4 U44.16 U45.16 | length 995.7
  Top Layer w10: U44.16@1072.83,5265.94 1112.4,5265.94 1122.05,5275.59 1161.42,5275.59 ; U45.16@1072.83,5531.69 1161.22,5531.69 1161.42,5531.5 1161.42,5374.21 1161.42,5275.59 ; U20.4@1541.34,5373.43 1486.22,5373.43 1486.22,5325 1482.28,5321.06 R100.2@1437.01,5321.06 LVDS_EN.1@1437.01,5246.26 1407.48,5216.73 1190.94,5216.73 1161.42,5246.26 1161.42,5275.59
lvds_en_led: D6.A R100.1 | length 202.8
  Top Layer w10: R100.1@1437.01,5387.99 D6.A@1437.01,5590.75
M0: R36.1 U1.AF22 | length 67.2
  Top Layer w7: U1.AF22@2384.65,2757.87 v1(2404.33,2738.19)
  Bottom Layer w10: v1(2404.33,2738.19) R36.1@2443.7,2738.19
M1: R37.1 U1.AD16 | length 122.9
  Top Layer w7: U1.AD16@2148.43,2836.61 v1(2168.11,2816.93)
  Bottom Layer w5: R37.1@2168.11,2738.19 2187.8,2757.87 2187.8,2797.24 v1(2168.11,2816.93)
MC_SN: DSN.1 R89.2 U1.B14 U11.2 | length 4465.2
  Top Layer w7: U1.B14@2069.68,3702.76 v1(2089.37,3722.44)
  Mid-Layer 6 w5: v1(2089.37,3722.44) 2069.68,3742.13 2069.68,4116.14 2148.43,4194.88 2227.17,4194.88 2300,4267.72 2300,4530.91 2204.72,4626.18 1525.59,4626.18 1456.69,4695.08 1456.69,5728.54 1535.43,5807.28 1978.35,5807.28 1998.03,5787.6 2362.2,5787.6 2381.89,5807.28 v1(2805.12,5807.28)
  Bottom Layer w8: U11.2@2730.32,5782.87 2777.56,5782.87 2809.06,5814.37 R89.2@2854.33,5814.37
MEZ_CLOCK: R91.2 R92.1 TTCCLK.1 U1.A14 U14.2 XP2.D21 | length 1077.7
  Top Layer w5: v1(2089.37,3761.81) TTCCLK.1@2089.37,3801.18
  Top Layer w7: U1.A14@2069.68,3742.13 v1(2089.37,3761.81)
  Mid-Layer 8 w5: XP2.D21@2075,4500 2050,4475 2050,4273.62 2069.69,4253.94 2069.69,3781.5 v1(2089.37,3761.81)
  Bottom Layer w5: R92.1@2050,3761.81 R91.2@2128.74,3761.81 ; U14.2@2050,3912.4 2050,3880.23 2089.37,3840.86 v1(2089.37,3761.81)
mod_abs: D10.K J1.6 | length 691.2
  Top Layer w8: J1.6@1559.45,570.28 J1.6@1560.63,571.46
  Top Layer w10: v1(1496.06,571.06) 1496.85,570.28 J1.6@1559.45,570.28 ; D10.K@1750,265.94 1759.84,275.79 v1(1820.87,275.79)
  Mid-Layer 6 w10: v1(1496.06,571.06) 1604.33,571.06 1643.7,531.69 1643.7,354.53 1722.44,275.79 v1(1820.87,275.79)